# Altium PCB UHF_RFID_PROJECT.PcbDoc (part 2 of 3) (continued)
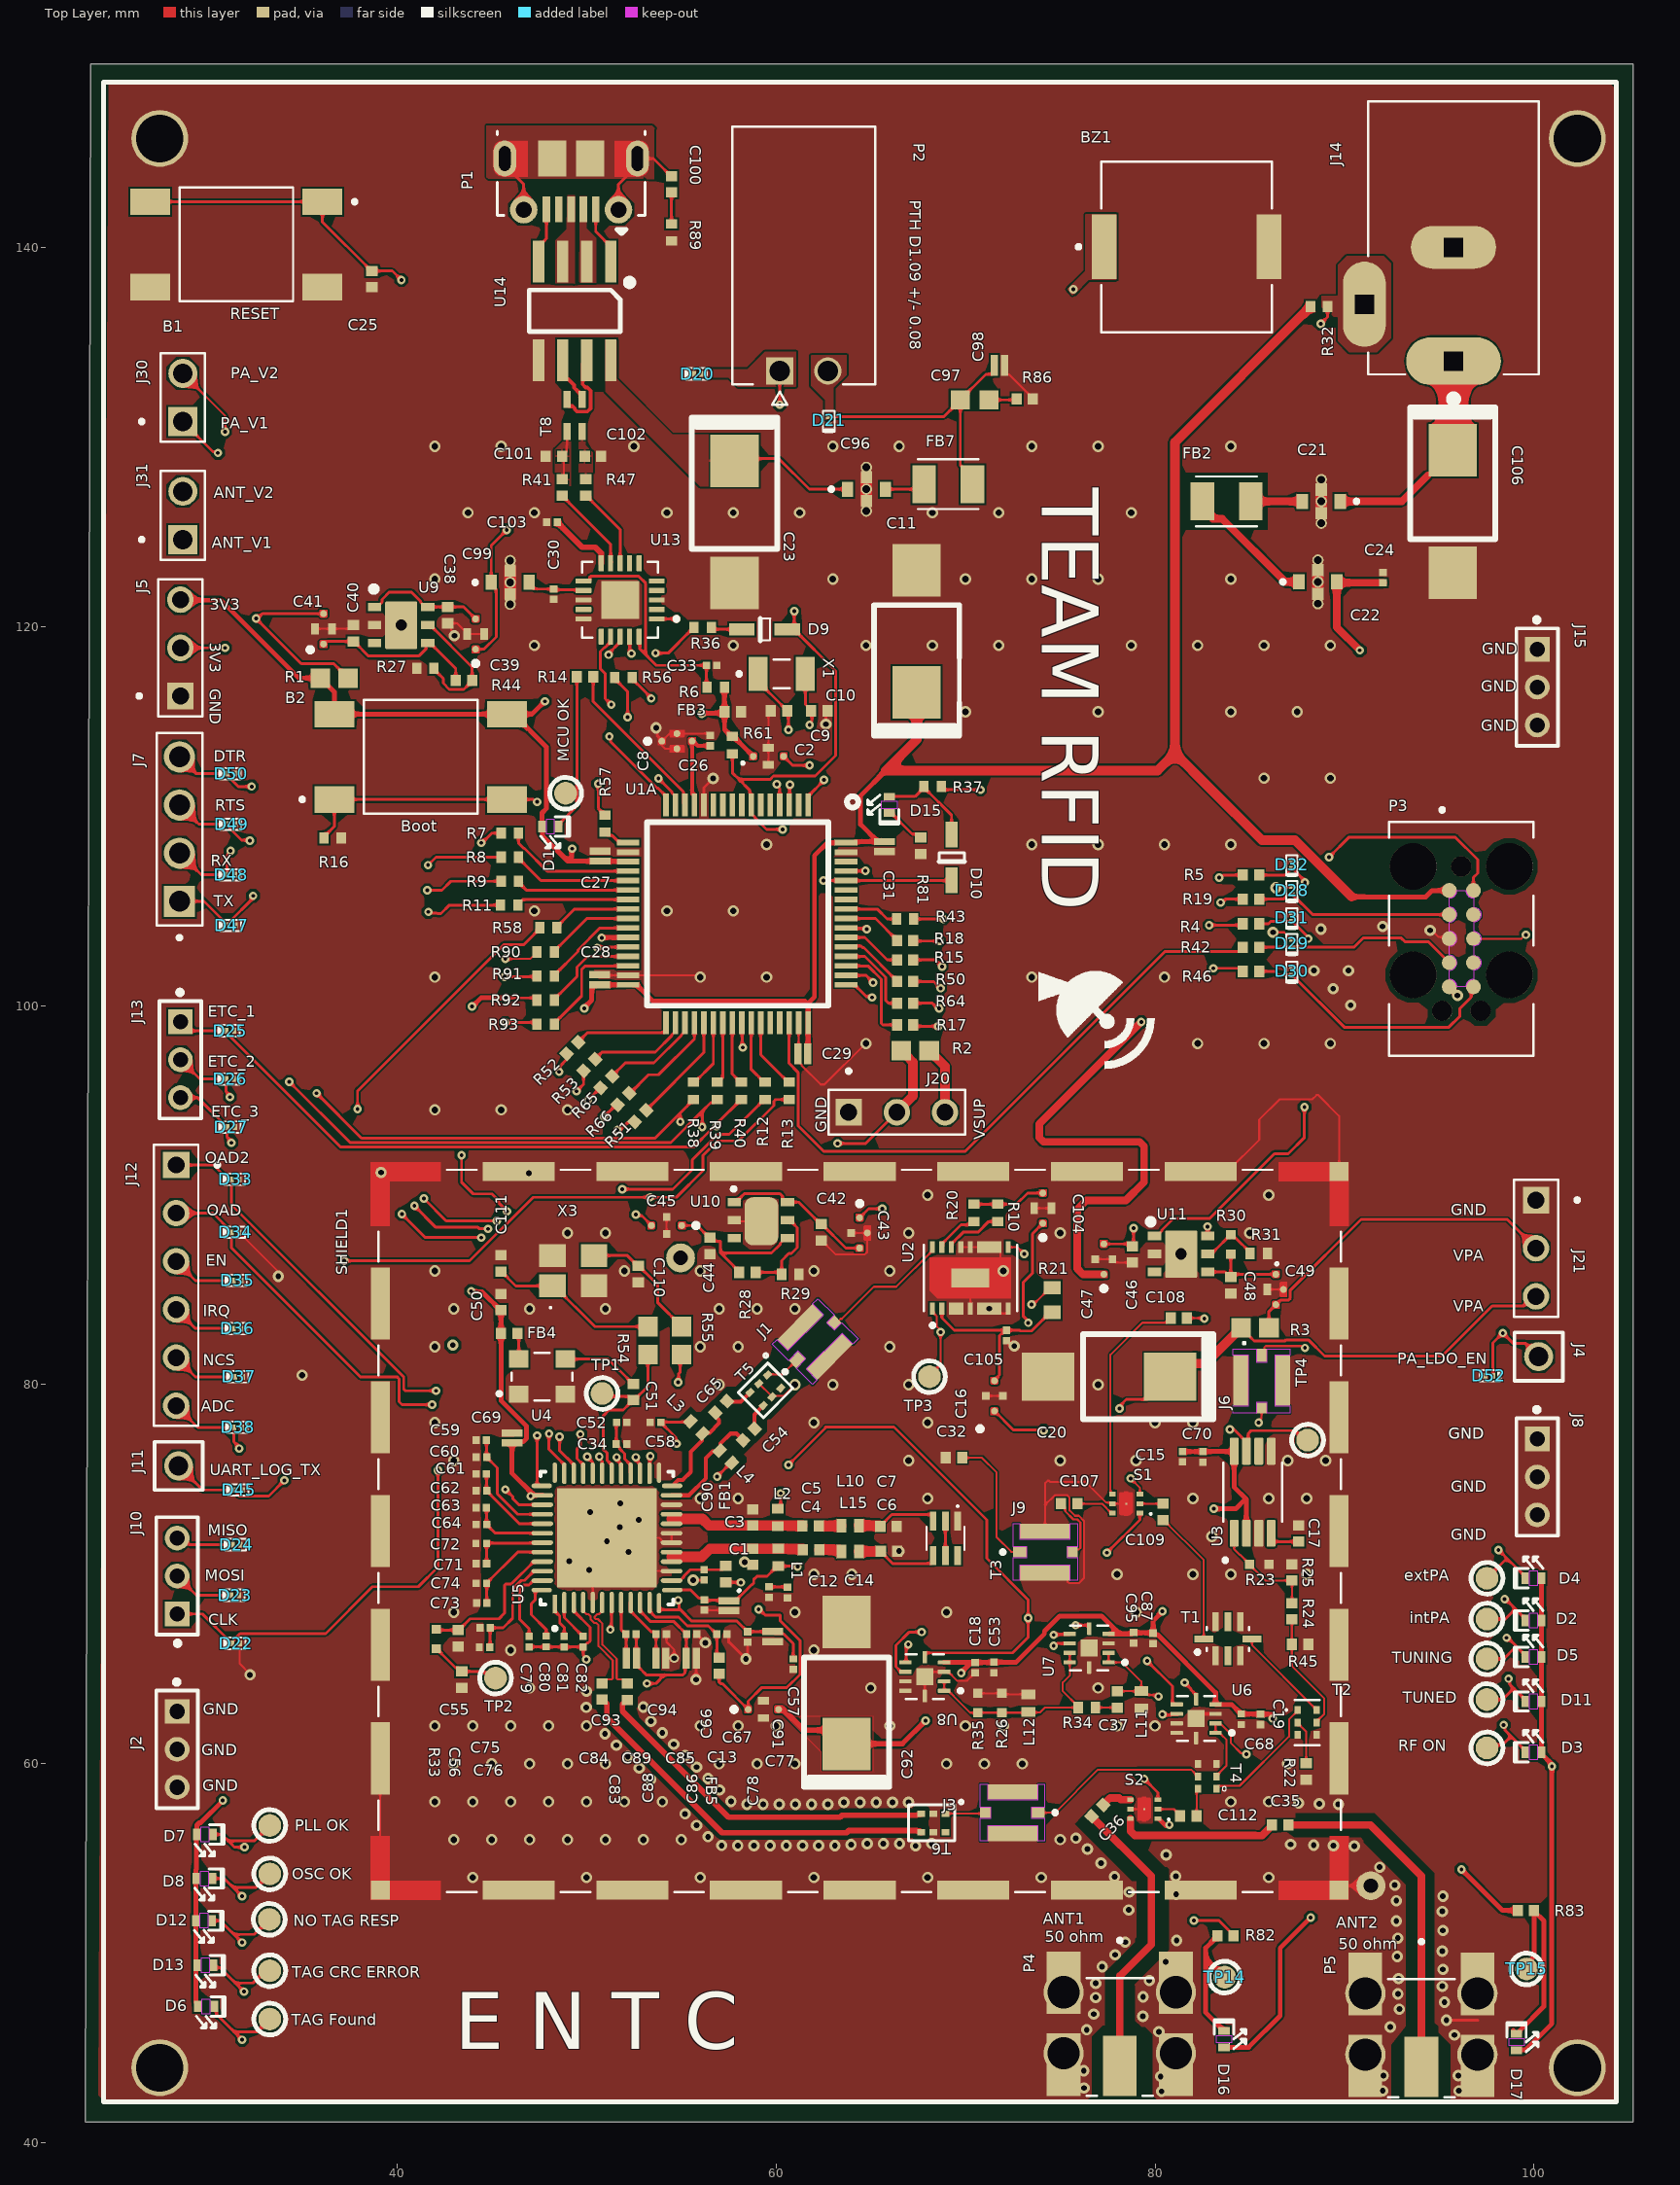
[diagram p0: Top Layer view]
## Nets (pads, with @x,y where several pads share a name; then routed paths per layer and width w, separated by ;. In a path a pad name is that pad's centre, name@x,y a point inside that pad or via, vN(x,y) a via of type N, cw(c..) or ccw(c..) an arc to the next point about the centre after c; other vN are vias at no path point) (continued)
ANT1_LED: R82.1 U1A.28 | length 72.8
  Top Layer w0.15: v1(50.571,103.051) 50.604,103.084 52.183,103.084 U1A.28@52.194,103.095 ; v1(82.052,51.737) 83.37,51.737 84.15,50.957 R82.1@84.15,50.927
  Routing w0.15: v1(50.571,103.051) 50.571,95.108 59.507,86.172 59.507,66.961 74.779,51.689 82.004,51.689 v1(82.052,51.737)
ANT2: D17.C R83.2 TP15.TP? | length 10.9
  Top Layer w0.254: D17.C@98.902,45.933 98.902,45.832 98.975,45.76 D17.C@99.075,45.76 99.175,45.76 99.248,45.832 99.248,45.933 100.517,47.202 100.517,51.715 R83.2@99.999,52.233 ; TP15.TP?@99.6,49.175 99.6,49.431 99.999,49.83 R83.2@99.999,52.233 ; R83.2@99.999,52.263 R83.2@99.999,52.233
ANT2_LED: R83.1 U1A.27 | length 74.8
  Top Layer w0.254: v1(50.8,103.581) 50.807,103.588 52.187,103.588 U1A.27@52.194,103.595 ; v1(96.171,54.427) 98.336,52.263 R83.1@99.135,52.263
  Gnd w0.254: v1(50.8,103.581) 50.402,103.581 50.092,103.272 50.092,101.08 68.203,82.97 68.203,81.073 94.849,54.427 v1(96.171,54.427)
Boot0: D10.A D15.A R37.2 | length 5.1
  Top Layer w0.15: D15.A@65.98,111.029 67.337,111.029 67.809,111.501 69.266,110.044 D10.A@69.266,109.017
CBIB: C88.2 C89.2 U5.9 | length 3.6
  Top Layer w0.15: U5.9@52.33,68.506 52.301,68.506 52.299,68.504 52.299,68.088 53.426,66.961 53.555,66.961 53.675,66.841 C89.2@53.675,66.836 53.669,66.829 53.669,65.581 C88.2@53.662,65.575
CBV: C83.2 C84.2 U5.8 | length 3
  Top Layer w0.15: U5.8@51.83,68.506 51.83,67.089 52.078,66.841 C84.2@52.078,66.836 52.095,66.819 52.095,65.592 C83.2@52.112,65.575
CD1: C61.2 C62.2 U5.41 | length 4.6
  Top Layer w0.15: C61.2@44.722,75.293 44.728,75.287 44.728,74.401 46.463,72.666 U5.41@47.67,72.666
CD2: C59.2 C60.2 U5.40 | length 5.9
  Top Layer w0.15: C59.2@44.722,77.071 44.728,77.065 44.728,76.189 C60.2@44.735,76.182 44.735,76.172 45.288,75.619 45.288,74.244 46.366,73.166 U5.40@47.67,73.166
CLK: D22.1 J10.1 R8.1 U5.37 U6.5 U7.5 U8.5 | length 124.7
  Top Layer w0.15: J10.1@28.402,67.908 29.735,67.908 D22.1@31.216,66.427 ; D22.1@31.291,66.352 31.291,66.381 31.419,66.508 31.419,66.57 31.716,66.867 36.234,66.867 38.708,69.342 41.123,69.342 42.164,70.383 v1(42.164,75.489) ; v1(40.259,89.002) 41.478,87.782 44.429,87.782 v1(44.452,87.759) ; v1(41.639,107.412) 42.057,107.83 R8.1@45.5,107.83 ; v1(47.396,77.318) 47.396,74.707 47.438,74.666 U5.37@47.638,74.666 ; v1(60.655,75.768) 62.611,77.724 62.611,77.763 66.229,77.763 71.12,72.873 71.12,70.836 73.304,68.652 v1(73.304,67.686) 73.304,66.675 72.482,65.852 67.885,65.852 67.85,65.817 U8.5@67.85,65.625 ; v1(75.811,67.312) 76.49,67.312 76.525,67.277 U7.5@76.525,67.125 ; v1(81.559,64.287) 81.896,63.951 81.896,63.901 82.169,63.627 U6.5@82.169,63.407
  Gnd w0.15: v1(42.164,75.489) 45.568,75.489 v1(47.396,77.318) 47.396,77.393 47.931,77.928 48.856,77.928 49.246,77.538 49.246,77.217 49.496,76.967 52.045,76.967 52.391,77.313 54.939,77.313 55.829,76.423 55.829,75.622 56.719,74.732 59.619,74.732 v1(60.655,75.768)
  Routing w0.15: v1(40.259,89.002) 40.259,106.032 v1(41.639,107.412) ; v1(44.452,87.759) 44.452,80.262 v1(47.396,77.318) ; v1(73.304,67.686) 73.325,67.686 73.99,68.351 75.565,68.351 75.811,68.106 v1(75.811,67.312) ; v1@75.811,67.28 75.843,67.28 78.835,64.287 v1(81.559,64.287)
COMN_A: C80.2 U5.48 | length 3.2
  Top Layer w0.15: U5.48@47.638,69.166 47.337,69.166 47.296,69.125 47.296,68.645 47.092,68.441 47.092,67.869 47.875,67.085 C80.2@47.875,66.737
COMN_B: C82.2 U5.2 | length 2.2
  Top Layer w0.15: U5.2@48.83,68.506 48.83,67.716 49.815,66.731 C82.2@49.825,66.731
COMP_A: C79.2 U5.47 | length 4.1
  Top Layer w0.15: C79.2@46.975,66.731 46.975,67.122 46.482,67.615 46.482,69.229 46.69,69.437 46.967,69.437 47.196,69.666 U5.47@47.67,69.666
COMP_B: C81.2 U5.1 | length 1.9
  Top Layer w0.15: U5.1@48.33,68.425 48.33,68.057 48.591,67.795 48.591,67.438 48.825,67.204 C81.2@48.825,66.731
CRC_ERR: "TAG CRC ERROR.TP?" D13.C R66.2 | length 62.9
  Top Layer w0.15: D13.C@30.325,49.375 30.325,49.371 30.45,49.247 30.662,49.247 31.18,48.729 31.471,48.438 ; v1(31.928,47.981) 31.471,48.438 ; 33.29,49.087 33.059,49.087 32.41,48.438 31.471,48.438 ; v1(50.927,94.132) 51.566,94.771 R66.2@51.642,94.771
  Routing w0.15: v1(31.928,47.981) 35.56,47.981 40.744,53.164 40.846,54.478 41.193,79.152 41.193,87.204 46.334,92.344 49.139,92.344 v1(50.927,94.132)
CRC_ERR_LED: R66.1 U1A.36 | length 5.5
  Top Layer w0.15: R66.1@52.253,95.382 52.307,95.382 53.275,96.35 53.8,96.35 55.694,98.244 U1A.36@55.694,99.095
D_CMC_N: C101.2 R41.1 T8.3 | length 2.8
  Top Layer w0.11: R41.1@48.717,127.762 48.815,127.86 48.815,128.981 C101.2@48.717,128.981 48.949,129.212 48.949,129.54 48.975,129.566 T8.3@48.975,130.275
D_CMC_P: C102.2 R47.1 T8.2
D_CON_N: P1.2 U14.2
D_CON_P: P1.3 U14.3
D_ESD_N: T8.4 U14.7 | length 4.6
  Top Layer w0.19: T8.4@48.975,131.975 48.975,131.725 49.08,131.62 49.28,131.62 49.391,131.509 49.391,131.449 49.499,131.341 50.051,131.341 50.219,131.509 50.219,132.441 50.051,132.609 49.963,132.609 49.795,132.776 49.795,132.934 49.805,132.944 49.805,133.845 U14.7@50.01,134.05
D_ESD_P: T8.1 U14.6 | length 2.6
  Top Layer w0.19: U14.6@48.74,134.05 48.74,133.25 48.945,133.045 49.042,133.045 49.351,132.736 49.351,132.592 49.775,132.169 T8.1@49.775,131.975
Detector: TP4.TP? U1A.15 U3.7 | length 55
  Top Layer w0.15: v1(53.797,111.989) 54.508,111.278 54.508,111.231 54.694,111.045 U1A.15@54.694,110.595 ; v1(83.946,77.635) 83.972,77.635 84.072,77.735 84.574,77.233 84.574,77.216 84.825,76.965 U3.7@84.825,76.49 84.918,76.583 84.918,77.425 85.069,77.576 87.385,77.576 87.886,77.075 TP4.TP?@88.05,77.075
  Gnd w0.15: v1(53.797,111.989) 53.797,110.007 67.238,96.567 67.238,94.041 83.423,77.855 83.887,77.855 83.942,77.8 83.942,77.638 v1(83.946,77.635)
DTR: D50.1 J7.04 R37.1 U13.18 | length 52.2
  Top Layer w0.15: J7.04@28.525,113.123 29.414,112.234 D50.1@31.033,112.234 31.033,112.206 31.161,112.078 31.161,112.016 31.62,111.557 v1(32.334,111.557) ; v1(51.166,118.508) 51.166,118.571 51.775,119.18 U13.18@51.775,119.465 ; R37.1@68.723,111.556 68.875,111.404 68.875,111.403 68.893,111.385 v1(70.79,111.385)
  Gnd w0.15: v1(51.166,118.508) 53.042,116.632 63.72,116.632 67.144,113.208 68.986,113.208 70.79,111.404 v1(70.79,111.385)
  Routing w0.15: v1(32.334,111.557) 44.12,111.557 50.747,118.184 50.842,118.184 v1(51.166,118.508)
EN: D35.1 J12.3 R13.1 U5.31 | length 57.3
  Top Layer w0.15: J12.3@28.35,86.511 29.366,85.495 D35.1@31.366,85.495 ; v1(37.211,86.538) 43.835,86.538 47.186,89.889 v1(53.36,89.889) 54.748,89.889 56.148,91.288 56.148,92.092 56.918,92.862 58.021,92.862 59.889,94.73 59.889,94.955 59.977,95.043 R13.1@60.7,95.043 ; v1(50.673,76.2) 50.673,76.119 50.813,75.979 50.813,75.343 U5.31@50.83,75.326
  Gnd w0.15: J12.3@28.35,86.511 28.731,86.511 30.222,88.002 35.747,88.002 v1(37.211,86.538)
  Routing w0.15: v1(50.673,76.2) 53.729,79.256 53.729,89.746 53.641,89.834 53.415,89.834 v1(53.36,89.889)
ETC_1: D25.1 J13.1 R40.2 U6.6 | length 77.5
  Top Layer w0.15: J13.1@28.575,99.145 29.051,98.669 D25.1@30.988,98.669 31.034,98.623 31.034,98.532 37.035,92.532 55.646,92.532 56.599,93.486 56.599,93.489 v1@56.803,93.692 ; v1(56.861,93.634) v1@56.803,93.692 ; R40.2@58.175,95.043 58.12,95.043 57.95,94.873 57.95,94.84 57.125,94.014 v1@56.803,93.692 ; v1(79.578,65.43) 80.917,64.092 80.917,63.167 80.951,63.132 U6.6@81.144,63.132
  Routing w0.15: v1(56.861,93.634) 57.94,92.555 59.751,92.555 63.823,88.482 64.25,88.482 68.74,83.991 68.74,83.441 68.255,82.955 68.255,82.602 68.505,82.352 69.954,82.352 72.837,79.469 72.837,78.261 73.947,77.151 75.154,77.151 79.578,72.727 v1(79.578,65.43)
ETC_2: D26.1 J13.2 R39.2 U7.6 | length 69.5
  Top Layer w0.15: J13.2@28.575,97.145 29.591,96.129 D26.1@30.988,96.129 30.988,95.458 31.191,95.255 v1(31.191,95.174) ; v1(34.315,95.987) 37.531,92.771 54.455,92.771 56.109,94.424 ; v1(56.109,93.599) 56.109,94.424 ; R39.2@56.9,95.043 56.73,94.873 56.557,94.873 56.109,94.424 ; v1(74.651,66.802) 74.675,66.826 75.476,66.826 U7.6@75.5,66.85
  Routing w0.15: v1(31.191,95.174) 33.503,95.174 v1(34.315,95.987) ; v1(56.109,93.599) 57.392,92.316 58.009,92.316 65.202,85.123 65.202,74.936 72.878,67.259 74.193,67.259 v1(74.651,66.802)
ETC_3: D27.1 J13.3 R38.2 U8.6 | length 65.4
  Top Layer w0.15: J13.3@28.575,95.145 29.479,95.145 30.961,93.664 30.989,93.664 31.035,93.617 D27.1@31.035,93.589 31.035,93.074 31.267,92.842 v1(31.267,92.761) ; v1(35.763,95.377) 38.13,93.01 53.617,93.01 54.901,94.294 ; v1(54.949,93.869) 54.949,94.342 55.425,94.818 55.425,94.873 55.595,95.043 R38.2@55.65,95.043 ; U8.6@66.832,65.343 66.832,65.35 66.867,65.385 66.867,66.1 66.98,66.213 v1(66.98,66.294)
  Routing w0.15: v1(31.267,92.761) 33.147,92.761 v1(35.763,95.377) ; v1(54.949,93.869) 57.741,91.078 57.741,91.041 59.383,89.399 59.505,89.399 64.499,84.405 64.499,70.146 65.456,69.19 65.456,67.818 v1(66.98,66.294)
extPA: D4.C extPA.TP? R18.2 | length 55.1
  Top Layer w0.15: R18.2@67.25,103.428 67.348,103.428 67.373,103.403 v1(68.631,103.403) ; extPA.TP?@97.515,69.788 98.464,70.737 98.677,70.737 ; v1(98.12,71.272) 98.142,71.272 98.677,70.737 ; D4.C@99.526,69.788 99.526,69.888 98.677,70.737
  Routing w0.15: v1(68.631,103.403) 77.216,94.818 86.501,94.818 86.571,94.889 86.671,94.889 96.215,85.345 96.215,73.099 98.042,71.272 v1(98.12,71.272)
extPA_LED: R18.1 U1A.56 | length 3.2
  Top Layer w0.15: U1A.56@63.694,104.595 65.249,104.595 66.386,103.458 R18.1@66.386,103.428
GND: B1.3 B1.4 BZ1.2 C1.2 C3.2 C6.1 C7.2 C8.1 C8.2 C9.1 C10.1 C11.2 C12.1 C13.1 C14.2 C15.1 C17.1 C18.1 C19.1 C20.2 C21.2 C21.2_1 C21.2_2 C21.2_3 C21.2_4 C22.2 C22.2_1 C22.2_2 C22.2_3 C22.2_4 C23.2 C24.1 C25.1 C26.1 C27.1 C28.1 C29.1 C30.1 C31.1 C32.2 C33.1 C34.1 C38.1 C40.1 C42.1 C43.2 C44.1 C46.1 C48.1 C49.2 C50.1 C52.1 C53.1 C55.1 C56.1 C57.2 C58.1 C59.1 C60.1 C61.1 C62.1 C63.1 C64.1 C66.1 C67.1 C68.1 C69.1 C70.1 C71.1 C72.1 C73.1 C74.1 C75.1 C76.1 C77.1 C78.1 C85.1 C86.1 C87.1 C88.1 C89.1 C90.1 C92.2 C95.1 C96.2 C96.2_1 C96.2_2 C96.2_3 C96.2_4 C98.1 C99.2 C99.2_1 C99.2_2 C99.2_3 C99.2_4 C101.1 C102.1 C103.1 C105.1 C106.2 C110.2 C111.2 D20.1 D21.1 D22.2 D23.2 D24.2 D25.2 D26.2 D27.2 D28.2 D29.2 D30.2 D31.2 D32.2 D33.2 D34.2 D35.2 D36.2 D37.2 D38.2 D45.2 D47.2 D48.2 D49.2 D50.2 D52.2 FB3.2 J1.G1 J1.G2 J2.1 J2.2 J2.3 J3.G1 J3.G2 J5.1 J6.G1 J6.G2 J8.1 J8.2 J8.3 J9.G1 J9.G2 J14.2 J15.1 J15.2 J15.3 J20.1 J21.1 L11.1 L12.1 P3.3 P3.5 P4.S1 P4.S2 P4.S3 P4.S4 P4.S5 P4.S6 P4.S7 P4.S8 P5.S1 P5.S2 P5.S3 P5.S4 P5.S5 P5.S6 P5.S7 P5.S8 pad.2 pad.4 pad.6 pad.9 pad.11 pad.12 pad.13 pad.15 pad.16 pad.17 pad.18 pad.19 pad.31 pad.38 pad.E.P. pad.MH1 pad.MH2 pad.MH3 pad.MH4 R16.1 R22.1 R23.1 R25.1 R26.1 R27.2 R29.2 R31.2 R35.1 R45.1 R81.1 R86.1 R89.1 S1.5 S1.7 S2.5 S2.7 SHIELD1.S1 SHIELD1.S2 SHIELD1.S3 SHIELD1.S4 SHIELD1.S5 SHIELD1.S6 SHIELD1.S7 SHIELD1.S8 SHIELD1.S9 SHIELD1.S10 SHIELD1.S11 SHIELD1.S12 SHIELD1.S13 SHIELD1.S14 SHIELD1.S16 SHIELD1.S17 SHIELD1.S18 SHIELD1.S19 SHIELD1.S20 SHIELD1.S21 SHIELD1.S22 SHIELD1.S23 SHIELD1.S24 SHIELD1.S25 SHIELD1.S26 SHIELD1.S27 SHIELD1.S28 T1.1 T1.3 T1.5 T1.7 T2.3 T2.4 T3.1 T4.3 T4.4 T5.2 T5.5 T6.2 T6.5 U1A.12 U1A.18 U1A.31 U1A.47 U1A.63 U2.3 U2.4 U2.5 U2.6 U2.8 U2.9 U2.10 U2.14 U3.3 U3.5 U4.1 U4.2 U5.5 U5.15 U5.18 U5.19 U5.22 U5.25 U5.49 U6.3 U6.8 U6.9 U6.10 U6.11 U7.3 U7.10 U7.11 U8.3 U8.8 U8.9 U8.10 U8.11 U9.2 U9.E.P. U9.E.P.1 U9.GND_VIA U10.2 U11.2 U11.E.P. U11.E.P.1 U11.GND_VIA U13.3 U13.13 U13.15 U13.21 U14.5 X3.2 X3.4 | length 164.7
  Top Layer w0.107: D34.2@31.684,88.035 31.684,88.006 33.68,86.011 33.68,85.78 v3(33.736,85.724) ; D22.2@31.704,66.352 31.704,65.276 32.247,64.733 v3(32.247,64.693) ; pad.18@35.675,119.875 pad.19@36.575,119.875 37.5,119.875 C40.1@37.7,120.075 ; SHIELD1.S9@39.116,53.337 SHIELD1.S10@39.116,60.287 ; v3(43.029,119.515) 43.029,119.648 42.853,119.824 42.853,119.99 C38.1@42.675,120.168 43.182,120.168 pad.2@43.725,119.625 ; pad.2@43.7,119.6 pad.2@44.6,119.6 ; U5.5@50.33,68.506 50.33,71.166 v3(51.08,71.749) ; C28.1@50.698,101.625 50.729,101.595 U1A.31@52.194,101.595 55.905,101.595 v2(56,101.5) ; U5.49@52.197,70.79 52.197,70.799 v3(51.08,71.749) ; SHIELD1.S17@52.416,91.237 SHIELD1.S17@52.426,91.237 ; C88.1@54.188,65.575 v5(54.625,65.575) 54.625,66.025 54.219,66.431 C89.1@54.219,66.836 ; pad.13@54.229,87.948 pad.15@54.229,88.848 ; U5.15@54.49,70.166 53.646,70.166 51.95,71.862 U5.49@51.95,71.916 ; U5.19@54.49,72.166 U5.18@54.49,71.666 54.077,71.666 53.937,71.806 53.937,71.84 53.861,71.916 U5.49@51.95,71.916 ; C8.2@54.775,113.55 54.15,113.55 53.95,113.75 53.95,113.925 C8.1@53.975,113.95 54.366,114.341 54.766,114.341 C8.2@54.775,114.35 56.425,114.35 C26.1@56.525,114.25 ; v3(55.778,64.44) 55.788,64.449 C86.1@55.788,65.575 ; C66.1@56.218,68.105 57.49,68.105 C67.1@57.513,68.081 ; U10.2@57.807,88.681 57.868,88.621 pad.E.P.@59.233,88.621 ; v3(58.343,70.644) 58.617,70.644 C1.2@58.776,70.485 ; T5.2@59.095,80.061 59.739,79.416 60.416,79.416 v2(61,80) ; pad.4@59.6,112.75 59.6,115.425 C9.1@59.725,115.55 ; U1A.47@61.194,99.095 61.194,97.499 C29.1@61.154,97.459 61.154,97.099 61.347,96.906 61.347,96.85 62.358,95.839 62.559,95.839 64.72,98 v2(64.75,98) ; C42.1@62.383,87.613 62.413,87.613 63.162,86.864 64.674,86.864 64.815,87.005 64.815,87.922 C43.2@64.9,88.007 ; pad.6@63.965,88.007 C43.2@64.815,88.007 ; SHIELD1.S19@64.416,91.237 SHIELD1.S19@64.416,91.337 ; C31.1@65.694,108.095 C31.1@65.726,108.127 ; R81.1@67.504,108.127 R81.1@67.631,108 ; U8.10@67.85,63.575 U8.11@67.85,64.6 68.1,64.85 U8.3@68.875,64.85 69.095,64.85 69.555,64.39 70.086,64.39 70.496,64.8 C18.1@70.501,64.8 ; T3.1@69.586,72.796 T3.1@69.586,73.121 ; U2.10@69.757,87.252 U2.9@70.257,87.252 U2.8@71.257,87.252 71.582,87.252 71.838,86.996 71.838,86.295 72,86.133 v2(72,86) 71.632,85.632 U2.14@70.257,85.632 U2.4@70.257,84.012 ; SHIELD1.S20@70.042,91.237 71.664,91.237 SHIELD1.S20@72.111,91.683 ; R35.1@70.655,63.721 71.921,63.721 R26.1@71.925,63.725 71.981,63.669 L12.1@73.322,63.669 ; pad.11@71.077,79.409 pad.12@71.977,79.409 ; U2.5@71.355,83.756 71.257,83.854 v4(71.257,84.012) 71.513,83.756 72.176,83.756 72.257,83.837 U2.6@72.257,84.012 ; C98.1@72.052,133.782 72.052,133.422 72.189,133.285 72.307,133.285 73.559,132.034 R86.1@73.559,132.004 ; C105.1@72.162,82.33 72.167,82.33 72.455,82.042 v3(72.574,82.042) ; pad.2@73.679,89.311 pad.4@74.479,89.311 ; J9.G1@74.192,70.071 J9.G1@74.295,69.968 ; J9.G2@74.192,72.271 74.192,73.646 ; SHIELD1.S21@74.822,90.79 75.268,91.237 SHIELD1.S21@76.416,91.237 ; J9.G1@75.057,70.081 75.385,69.753 75.385,69.612 75.468,69.528 75.976,69.528 76.256,69.808 76.256,72.811 75.979,73.089 75.772,73.089 75.494,73.366 75.494,74.045 75.372,74.168 74.714,74.168 74.192,73.646 ; pad.16@76.85,86.625 pad.17@77.75,86.625 77.932,86.443 C46.1@78.8,86.443 ; S1.7@78.475,73.725 S1.5@77.75,73.725 77.687,73.789 77.414,73.789 76.323,74.879 74.473,74.879 74.416,74.936 74.335,74.936 74.192,74.794 74.192,73.646 ; S2.5@78.701,57.607 S2.7@79.426,57.607 ; U6.11@82.169,62.382 U6.11@82.419,62.632 ; SHIELD1.S22@82.416,91.237 83.816,91.237 85.5,92.921 85.5,93.985 86.571,95.056 88.3,95.056 88.525,95.282 88.614,95.282 89.716,94.18 SHIELD1.S23@89.716,91.237 ; pad.9@85.925,85.025 C49.2@86.775,85.025 ; v3(86.226,103.869) 86.813,103.869 87.191,103.49 D29.2@87.22,103.49 ; v3(86.371,106.212) 86.408,106.248 87.184,106.248 D28.2@87.22,106.284 ; SHIELD1.S1@89.716,53.337 89.948,53.569 pad.31@91.389,53.569 ; v3(94.52,103.97) 94.621,103.97 94.975,103.616 95.444,103.616 P3.3@95.529,103.53 ; P3.5@95.529,100.99 95.529,100.978 95.961,100.546 v3(95.961,100.533) ; v3(51.08,71.749) U5.49@51.95,71.916
  Top Layer w0.15: C111.2@45.492,86.826 C111.2@45.522,86.826 ; SHIELD1.S16@46.416,91.237 46.891,91.237 v3(46.965,91.162) ; v3(53.675,114.65) 53.723,114.602 53.723,114.259 53.975,114.007 C8.1@53.975,113.95 ; v3(55.636,69.689) 55.64,69.693 56.206,69.693 C90.1@56.21,69.698 ; C85.1@55.822,66.836 55.822,66.831 56.267,66.386 v3(56.27,66.386) ; U1A.12@56.194,110.595 56.194,111.498 v3(56.685,111.988) ; C13.1@57.422,66.836 57.51,66.748 57.51,66.414 57.535,66.414 v3(58.416,65.533) 58.416,65.601 58.5,65.685 C78.1@58.5,66.428 ; v3(62.634,114.844) 62.634,115.47 C10.1@62.714,115.55 ; v3(95.372,46.473) 95.378,46.467 97.031,46.467 97.036,46.461
  Top Layer w0.2: U6.11@82.419,62.632 U6.3@83.194,62.632
  RF_Ground w0.11: v5(54.625,65.575) v5@54.634,65.575 ; v3@55.769,64.44 v3(55.778,64.44)
  Gnd w0.107: v2(42,122.5) 42,120.544 v3(43.029,119.515)
  Gnd w0.11: v4(71.257,84.012) 71.213,83.968 71.213,83.508 72.574,82.147 v3(72.574,82.042)
  Gnd w0.15: v2(45.5,94.5) 46.965,93.035 v3(46.965,91.162) ; v3(53.675,114.65) 53.723,114.602 54.071,114.602 v3(56.685,111.988) ; v5(54.625,65.575) 54.625,64.629 54.89,64.363 55.702,64.363 v3(55.778,64.44) ; v3(55.636,69.689) 55.641,69.683 55.641,67.015 v3(56.27,66.386) 56.27,64.931 v3(55.778,64.44) ; v3(58.416,65.533) 57.323,64.44 v3(55.778,64.44)
  Routing w0.11: v3(94.52,103.97) 94.614,103.877 94.614,103.557 95.204,102.966 95.204,101.55 95.855,100.899 95.855,100.639 v3(95.961,100.533)
  other v2: 44,54 50,54 56,54 62,54 68,54 74,54 86,54 43,56 45,56 47,56 49,56 51,56 53,56 55,56 75,56 42,58 44,58 46,58 48,58 50,58 52,58 54,58 84,58 86,58 43,60 45,60 47,60 49,60 51,60 57,60 59,60 61,60 69,60 71,60 73,60 87,60 42,62 44,62 46,62 48,62 50,62 56,62 58,62 60,62 66,62 70,62 72,62 78,62 80,62 47,64 65,64 77,64 46,66 62,66 43,68 61,68 69,68 79,68 62,70 64,70 78,70 82,70 84,70 88,70 83,72 56,74 58,74 68,74 82,74 86,74 88,74 43,76 67,76 75,76 79,76 87,76 89,76 42,78 62,78 68,78 80,78 82,78 57,80 63,80 67,80 77,80 35,80.5 42,82 56,82 58,82 66,82 43,84 47,84 51,84 57,84 59,84 61,84 42,86 52,86 56,86 62,86 66,86 49,88 51,88 67,88 75,88 85,88 68,90 86,90 42,94.5 49,94.5 82.25,98 85.75,98 89.25,98 42,101.5 59.5,101.5 73.5,101.5 77,101.5 80.5,101.5 47.25,105 54.25,105 57.75,105 59.5,108.5 73.5,108.5 77,108.5 80.5,108.5 84,108.5 85.75,112 89.25,112 70,115.5 77,115.5 84,115.5 87.5,115.5 47.25,119 57.75,119 64.75,119 68.25,119 71.75,119 78.75,119 82.25,119 85.75,119 89.25,119 63,122.5 70,122.5 73.5,122.5 77,122.5 84,122.5 43.75,126 47.25,126 54.25,126 57.75,126 61.25,126 68.25,126 71.75,126 78.75,126 42,129.5 45.5,129.5 52.5,129.5 63,129.5 66.5,129.5 73.5,129.5 77,129.5 84,129.5
  other v3: 80.344,42.72 92.012,42.748 96.036,42.75 76.257,42.897 80.293,43.507 92.048,43.555 96,43.553 76.244,43.811 95.794,45.69 80.204,45.868 76.396,45.969 92.409,46.118 79.354,46.68 76.766,46.799 92.894,47.059 95.271,47.422 76.867,47.674 79.367,47.708 92.818,47.863 95.154,48.266 76.866,48.419 79.697,48.571 92.854,48.67 95.19,49.154 77.209,49.295 80.56,49.549 92.778,49.837 77.894,49.927 95.154,50.119 78.427,50.589 81.144,50.678 92.814,50.805 95.19,51.208 92.735,51.707 95.154,52.213 78.618,52.29 92.733,52.779 95.19,53.02 81.118,53.115 78.636,53.237 92.649,53.599 77.862,54.041 81.093,54.067 91.857,54.547 77.147,54.757 80.585,55.197 76.431,55.5 90.519,55.658 57.984,55.686 58.838,55.686 59.692,55.686 60.546,55.686 61.4,55.686 62.254,55.686 63.108,55.686 67.366,55.671 89.417,55.682 57.13,55.692 88.371,55.706 63.96,55.737 87.154,55.746 64.812,55.791 65.666,55.791 66.52,55.791 68.211,55.792 75.826,56.077 56.41,56.151 55.806,56.755 55.202,57.359 58.464,57.863 59.318,57.863 60.172,57.863 61.026,57.863 61.88,57.863 62.734,57.863 89.677,57.869 88.665,57.894 87.582,57.932 63.582,57.968 64.436,57.968 65.29,57.968 66.144,57.968 66.998,57.968 57.624,58.016 57.02,58.62 53.391,59.171 56.416,59.224 52.787,59.774 55.812,59.828 52.183,60.378 55.208,60.432 51.579,60.982 54.605,61.036 50.975,61.586 54.001,61.639 53.397,62.243 49.988,62.976 52.995,62.997 49.995,63.83 50.14,70.231 49.098,70.688 52.222,71.171 66.494,71.222 51.765,72.492 52.756,72.873 50.19,73.279 51.791,73.736 90.322,100.022 89.396,100.89 88.383,101.845 90.206,101.845 88.754,104.03 92.011,104.173
IN_N: C94.2 U5.6 | length 5.4
  Top Layer w0.11: U5.6@50.83,68.506 50.83,68.067 50.658,67.895 50.563,67.895 50.432,67.764 50.432,67.7 50.493,67.639 50.601,67.639 50.839,67.4 50.839,66.292 51.593,65.538 51.593,64.509 51.639,64.463 51.919,64.463 C94.2@52.15,64.232
IN_P: C93.2 U5.4 | length 5.4
  Top Layer w0.11: U5.4@49.83,68.506 49.83,68.067 50.002,67.895 50.097,67.895 50.228,67.764 50.228,67.615 50.408,67.434 50.516,67.434 50.635,67.315 50.635,66.207 51.389,65.453 51.389,64.509 51.344,64.463 51.038,64.463 C93.2@50.825,64.25
intPA: D2.C intPA.TP? R15.2 | length 57.4
  Top Layer w0.15: R15.2@67.25,102.412 68.403,102.412 v1(68.758,102.057) ; intPA.TP?@97.515,67.638 98.483,67.638 99.017,68.172 ; v1(98.45,68.682) 98.508,68.682 99.017,68.172 ; D2.C@99.526,67.563 99.526,67.663 99.017,68.172
  Routing w0.15: v1(68.758,102.057) 77.089,93.726 86.639,93.726 95.275,85.09 95.275,69.825 96.418,68.682 v1(98.45,68.682)
intPA_LED: R15.1 U1A.54 | length 3.2
  Top Layer w0.15: U1A.54@63.694,103.595 64.685,103.595 65.868,102.412 R15.1@66.386,102.412
IRQ: D36.1 J12.4 R12.1 U5.32 | length 56.2
  Top Layer w0.15: J12.4@28.35,83.971 29.337,82.984 31.337,82.984 D36.1@31.366,82.955 ; v1(50.038,76.2) 50.313,75.925 50.313,75.343 U5.32@50.33,75.326 ; v1(51.892,90.316) 54.552,90.316 55.579,91.342 55.579,91.861 56.925,93.207 57.534,93.207 59.37,95.043 R12.1@59.425,95.043
  Gnd w0.15: J12.4@28.35,83.971 41.121,83.971 42.951,82.141 v3(42.951,82.093)
  Routing w0.15: v3(42.951,82.093) 42.951,80.671 47.423,76.2 v1(50.038,76.2) 53.03,79.192 53.03,89.153 52.933,89.251 52.933,89.912 52.472,90.373 52.322,90.373 51.95,90.373 v1(51.892,90.316)
LF_CEXT: C56.2 R33.2 U5.45 | length 8
  Top Layer w0.15: R33.2@42.087,67.1 R33.2@42.075,67.1 42.119,67.056 C56.2@43.231,67.056 43.261,67.056 43.856,67.651 45.381,67.651 45.669,67.94 45.669,69.407 45.757,69.494 46.043,69.494 47.214,70.666 U5.45@47.67,70.666
LP_FILTER_IN: C109.1 T1.8 | length 7.2
  Top Layer w0.107: C109.1@80.425,72.861 80.455,72.861 82.571,70.745 T1.8@82.571,66.593
LP_FILTER_OUT: T1.4 T2.6 | length 5.2
  Top Layer w0.107: T1.4@85.121,66.593 85.121,66.257 88.387,62.991 88.408,62.991 88.519,62.88 T2.6@88.519,62.84
MCU: "MCU OK.TP?" D1.C R14.2 | length 8.3
  Top Layer w0.15: D1.C@48.525,109.45 48.525,109.55 49.493,110.518 R14.2@49.493,117.35
"MCU LED": R14.1 U1A.14 | length 8.8
  Top Layer w0.15: R14.1@50.357,117.35 50.357,116.038 55.119,111.276 55.119,110.67 U1A.14@55.194,110.595
MISO: D24.1 J10.3 R9.1 U5.34 | length 67.5
  Top Layer w0.15: J10.3@28.402,71.908 28.713,71.908 29.062,71.559 D24.1@31.323,71.559 ; v1(41.42,89.817) 42.591,88.646 v1(45.263,88.646) ; v1(41.597,106.084) 42.368,106.084 42.844,106.56 R9.1@45.5,106.56 ; v1(48.58,77.262) 48.58,76.526 49.33,75.775 U5.34@49.33,75.326
  Gnd w0.15: J10.3@28.402,71.908 43.771,71.908 48.6,76.737 48.6,77.242 v1(48.58,77.262)
  Routing w0.15: v1(41.42,89.817) 41.42,89.879 42.984,91.443 42.984,105.225 42.125,106.084 v1(41.597,106.084) ; v1(45.263,88.646) 45.773,88.646 48.815,85.604 48.815,77.578 48.58,77.343 v1(48.58,77.262)
MOSI: D23.1 J10.2 R11.1 U5.35 U6.7 U7.7 U8.7 | length 115.9
  Top Layer w0.15: J10.2@28.402,69.908 29.418,68.892 D23.1@31.244,68.892 ; v1(40.919,89.433) 42.053,88.3 44.276,88.3 44.351,88.225 44.795,88.225 v1(44.801,88.219) ; v1(41.66,104.945) 41.717,104.887 42.099,104.887 42.134,104.851 42.317,104.851 42.765,105.3 R11.1@45.468,105.3 ; v1(48.024,77.417) 48.024,76.581 48.83,75.775 U5.35@48.83,75.326 ; U8.7@66.825,64.85 66.605,64.85 66.331,65.124 66.331,66.249 67.036,66.954 v1(67.691,66.954) ; v1(74.651,66.225) 74.732,66.225 74.857,66.35 U7.7@75.5,66.35 ; v1(80.391,62.611) 80.432,62.57 81.169,62.57 81.144,62.595 U6.7@81.144,62.632
  Gnd w0.15: J10.2@28.402,69.908 42.108,69.908 49.163,76.962 ; v1(48.024,77.417) 48.105,77.417 48.377,77.689 48.757,77.689 49.007,77.439 49.007,77.118 49.163,76.962 ; 51.533,70.28 49.752,72.549 49.246,73.055 49.246,76.879 49.163,76.962 ; 51.534,70.279 ccw(c51.651,70.373) 51.544,70.267 ; 51.545,70.267 52.756,69.055 55.046,69.055 55.134,69.143 55.134,69.897 55.428,70.191 55.844,70.191 56.138,69.897 56.138,69.143 56.226,69.055 57.354,69.055 57.398,69.012 66.213,69.012 67.691,67.534 v1(67.691,66.954)
  Routing w0.15: v1(40.919,89.433) 40.538,89.814 40.538,103.823 v1(41.66,104.945) ; v1(44.801,88.219) 48.024,84.996 v1(48.024,77.417) ; v1(67.691,66.954) 67.716,66.98 72.82,66.98 73.455,66.345 73.56,66.345 ; v1(74.651,66.225) 74.606,66.27 74.201,66.27 74.126,66.345 73.56,66.345 ; v1(80.391,62.611) 77.294,62.611 73.56,66.345
NCS: D37.1 J12.5 R7.1 U5.33 | length 65.1
  Top Layer w0.15: J12.5@28.35,81.431 29.366,80.415 D37.1@31.446,80.415 ; v1(43.411,92.105) 43.411,90.683 44.026,90.068 45.009,90.068 45.382,89.695 45.382,89.576 v1(45.813,89.146) ; v1(44.45,108.585) 44.492,108.585 45.007,109.1 R7.1@45.5,109.1 ; v1(49.673,77.394) 49.673,76.791 49.505,76.623 49.505,76.101 49.83,75.775 U5.33@49.83,75.326
  Gnd w0.15: J12.5@28.35,81.431 45.723,81.431 49.485,77.67 49.485,77.663 49.673,77.475 v1(49.673,77.394)
  Routing w0.15: v1(43.411,92.105) 43.411,99.697 43.242,99.866 43.242,107.377 v1(44.45,108.585) ; v1(45.813,89.146) 47.712,87.246 47.831,87.246 49.673,85.404 v1(49.673,77.394)
NetB1_1: B1.1 B1.2 C25.2 D9.A R5.1 R61.1 U1A.7 | length 89.1
  Top Layer w0.15: B1.2@26.971,142.407 B1.1@36.071,142.407 36.071,141.331 38.645,138.757 C25.2@38.675,138.757 39.138,138.757 39.141,138.76 39.751,138.76 v1(40.234,138.278) ; R61.1@57.7,113.29 57.7,112.277 58.039,111.938 ; v1(60.35,109.296) 59.511,109.296 58.875,109.932 58.875,109.964 58.694,110.145 U1A.7@58.694,110.595 58.619,110.67 58.619,111.358 58.039,111.938 ; D9.A@60.6,119.85 D9.A@60.71,119.85 ; v1(60.96,120.802) 60.96,120.1 D9.A@60.71,119.85 ; v1(83.388,106.756) 83.469,106.756 83.6,106.887 R5.1@84.629,106.887 ; 58.039,111.938 59.696,111.938 59.869,112.111 62.073,112.111 63.148,113.186 63.148,117.652 60.95,119.85 D9.A@60.71,119.85
  Gnd w0.15: v1(60.35,109.296) 65.227,109.296 66.904,107.62 69.85,107.62 70.714,106.756 v1(83.388,106.756)
  Routing w0.15: v1(40.234,138.278) 57.709,120.802 v1(60.96,120.802)
NetB2_1: B2.1 B2.2 D10.C R16.2 U1A.60 | length 36.6
  Top Layer w0.15: R16.2@36.15,108.85 36.15,108.905 36.7,109.455 B2.1@36.7,110.875 B2.2@45.8,110.875 47.184,110.875 47.315,110.744 v1(47.396,110.744) ; v1(62.509,106.604) 62.514,106.599 63.69,106.599 U1A.60@63.694,106.595 69.244,106.595 D10.C@69.266,106.617
  Routing w0.15: v1(47.396,110.744) 52.019,110.744 54.813,107.95 61.163,107.95 v1(62.509,106.604)
NetBZ1_1: BZ1.1 U1A.61 | length 36.3
  Top Layer w0.15: U1A.61@63.694,107.095 63.702,107.103 64.711,107.103 v1(64.719,107.112) ; v1(75.692,137.795) v1@75.717,137.82
  Routing w0.15: v1(64.719,107.112) 64.719,108.12 75.692,119.093 v1(75.692,137.795)
NetC2_3: C2.3 U1A.1 | length 4.3
  Top Layer w0.15: C2.3@60.4,113.15 60.876,112.674 v1(61.773,112.674) ; U1A.1@61.694,110.595 61.694,111.045 62.535,111.886 v1(62.535,111.912)
  Routing w0.15: v1(61.773,112.674) v1(62.535,111.912)
NetC4_2: C4.2 L15.1 | length 1.2
  Top Layer w0.15: L15.1@63.348,71.298 L15.1@63.449,71.196
  Top Layer w0.55: C4.2@62.281,71.298 L15.1@63.348,71.298
NetC5_2: C5.2 L10.2 | length 1.2
  Top Layer w0.15: L10.2@63.424,72.542 L10.2@63.449,72.568
  Top Layer w0.55: C5.2@62.256,72.542 L10.2@63.424,72.542
NetC6_2: C6.2 L15.2 T3.4 | length 4.6
  Top Layer w0.15: C6.2@65.532,71.222 65.532,71.192 66.173,70.551 66.193,70.571 68.186,70.571 68.286,70.671 T3.4@68.286,70.996
  Top Layer w0.55: L15.2@64.369,71.196 C6.2@65.506,71.196
NetC7_1: C7.1 L10.1 T3.3 | length 4.5
  Top Layer w0.15: C7.1@65.456,72.568 C7.1@65.481,72.542 ; C7.1@65.507,72.517 C7.1@65.481,72.542 ; T3.3@68.286,72.796 68.286,73.052 68.186,73.152 66.112,73.152 65.502,72.542 C7.1@65.481,72.542
  Top Layer w0.55: L10.1@64.369,72.568 C7.1@65.456,72.568
NetC12_2: C12.2 C14.1 | length 1
  Top Layer w0.15: C12.2@59.639,69.345 59.653,69.332 60.591,69.332 C14.1@60.604,69.318